# Allegro board Swan Feather PCB v1.7.brd
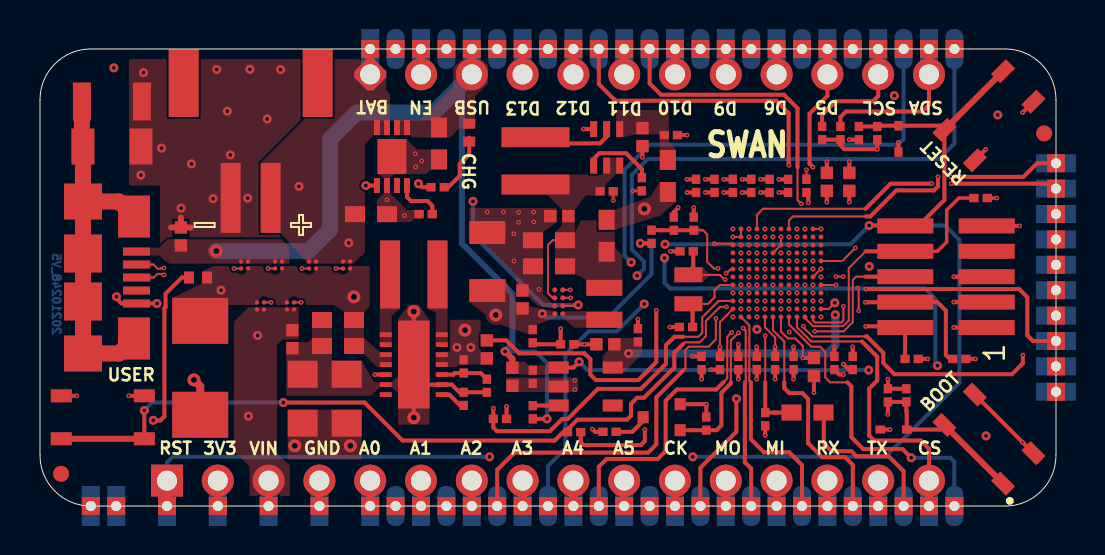
[diagram p0: board, top side]
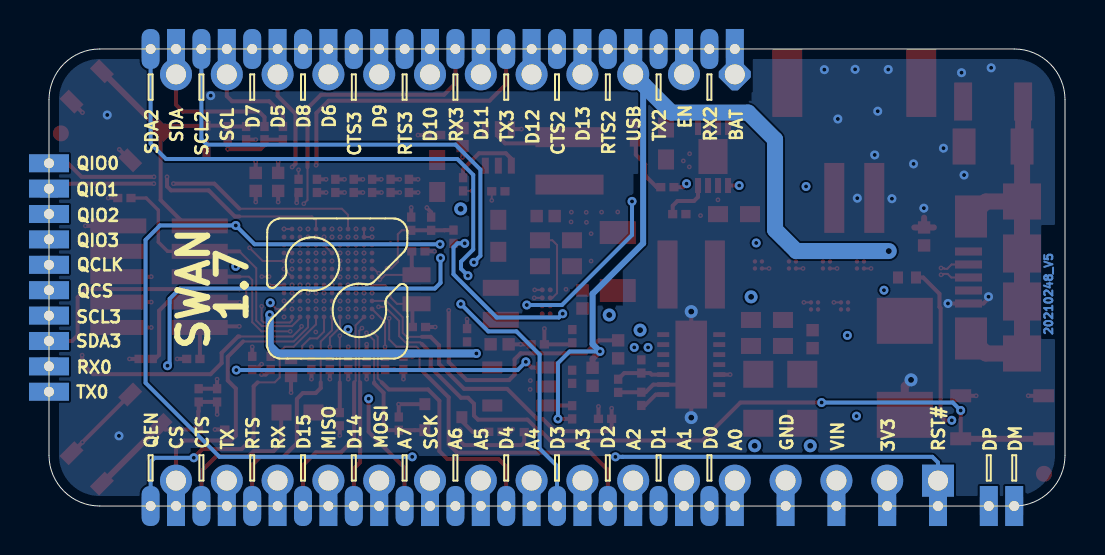
[diagram p1: board, bottom side, seen from below]

Outline 50.8 x 22.86 mm; copper layers: TOP, GND, INT1, INT2, POWER, BOTTOM. Coordinates in mm from the lower left corner of the outline.
Outline path: 0,20.32 0,2.54 arc(0.74,0.74) 2.54,0 48.26,0 arc(50.06,0.74) 50.8,2.54 50.8,20.32 arc(50.06,22.12) 48.26,22.86 2.54,22.86 arc(0.74,22.12) 0,20.32

## Design rules (mm)
constraint set DEFAULT: pair gap 0.1
net group USB_90: nets USB_DM USB_DP

## Placement (name value [footprint] x y rotation side)
C1  10n/1kV  [CS-C-1206]  3.65 17.98 0 top
C2  100n/16V  [CS-C-0402]  7.04 13.48 90 top
C3  100n/16V  [CS-C-0402]  12.62 8.34 270 top
C4  47u/16V-X5R  [CS-C-1206]  22.37 12.28 90 top
C5  4.7u/6.3V-X5R  [CS-C-0402]  24.13 10.33 90 top
C6  10u/10V-X5R  [CS-C-0603]  25.45 11.99 180 top
C7  10u/10V-X5R  [CS-C-0603]  25.45 13.29 180 top
C8  100n/16V-X5R  [CS-C-0201]  26.36 8.09 0 top
C9  4.7u/10V/X5R  [CS-C-0603]  16.55 14.6 0 top
C10  4.7u/10V/X5R  [CS-C-0603]  19.95 18.13 270 top
C11  100n/16V-X5R  [CS-C-0201]  28.33 15.74 0 top
C12  10u/6.3V-X5R  [CS-C-0402]  25.97 14.5 180 top
C13  10u/6.3V-X5R  [CS-C-0402]  30.12 18.45 270 top
C14  100n/16V-X5R  [CS-C-0201]  31.54 18.55 0 top
C15  100u/6.3V  [CS-T-A]  13.13 5.37 90 top
C16  100u/6.3V  [CS-T-A]  15.33 5.37 90 top
C17  100n/16V-X5R  [CS-C-0201]  21.18 5.36 90 top
C18  10u/10V-X5R  [CS-C-0603]  14.9 9.31 180 top
C19  10u/10V-X5R  [CS-C-0603]  14.9 8.01 180 top
C20  100n/16V-X5R  [CS-C-0201]  24.64 6.46 270 top
C21  1u/16V-X5R  [CS-C-0402]  23.62 6.46 270 top
C22  100n/16V-X5R  [CS-C-0201]  29.9 8.54 90 top
C23  1u/16V-X5R  [CS-C-0402]  28.27 8.09 180 top
C24  10n/16V-X5R  [CS-C-0201]  32.69 14.12 90 top
C25  100n/16V-X5R  [CS-C-0201]  35.84 7.15 270 top
C26  100n/16V-X5R  [CS-C-0201]  37.68 7.15 270 top
C27  4.7u/6.3V-X5R  [CS-C-0402]  38.7 6.95 90 top
C28  100n/16V-X5R  [CS-C-0201]  36.76 7.15 270 top
C29  1u/16V-X5R  [CS-C-0402]  40.46 16.21 270 top
C30  100n/16V-X5R  [CS-C-0201]  33.72 16.01 90 top
C31  1u/16V-X5R  [CS-C-0402]  39.34 16.21 270 top
C32  4p/50V-C0G  [CS-C-0201]  32.3 8.95 180 top
C33  4p/50V-C0G  [CS-C-0201]  32.33 12.74 180 top
C34  100n/16V-X5R  [CS-C-0201]  40.94 18.65 270 top
C35  100n/16V-X5R  [CS-C-0201]  42.4 5.54 90 top
C36  100n/16V-X5R  [CS-C-0201]  39.72 7.15 270 top
C37  100n/16V-X5R  [CS-C-0201]  34.92 7.15 270 top
C38  100n/16V-X5R  [CS-C-0201]  38.32 16.01 90 top
C39  100n/16V-X5R  [CS-C-0201]  32.8 16.01 90 top
C40  100n/16V-X5R  [CS-C-0201]  35.56 16.01 90 top
C41  100n/16V-X5R  [CS-C-0201]  37.4 16.01 90 top
C42  100n/16V-X5R  [CS-C-0201]  36.48 16.01 90 top
C43  100n/16V-X5R  [CS-C-0201]  34.64 16.01 90 top
C44  100n/16V-X5R  [CS-C-0201]  40.64 7.15 270 top
C45  100n/16V-X5R  [CS-C-0201]  34 7.15 270 top
C46  10n/16V-X5R  [CS-C-0201]  33.08 7.15 270 top
FID1  TPS  [FIDUCIAL]  1.05 1.61 0 top
FID2  TPS  [FIDUCIAL]  50.21 18.64 0 top
J1  10118192-0002LF  [J-5-0065-FOS-USB10118192-NOF]  4.7 11.43 270 top
J2  00820  [J-16-0254-MDT]  25.4 1.27 0 bottom
J3  00815  [J-12-0254-MDT]  30.48 21.59 0 bottom
J4  20404  [J-2-0200-MOS-S2B]  10.53 18.26 0 top
J5  FTSH105-01-F-DV-K-P-TR  [J-5X2-0127-MDS-FTSH105]  45.3 11.43 90 top
L1  1285AS-H-2R2M=P2  [LS-0806]  28.21 10.11 90 top
L2  XFL4020-222MEC  [LS-XFL4020]  24.78 17.26 270 top
L3  XFL4020-152MEC  [LS-XFL4020]  18.69 11.58 180 top
LD1  SML-P12WTT86R  [LD-0402]  21.46 18.68 90 top
LD2  SML-P12U2TT86R  [LD-0402]  7.9 11.43 0 top
NOREF  -  []  24.87 8.61 90 top
NOREF#2  -  []  38.55 22.41 90 top
NOREF#3  -  []  16.7 18.55 0 top
NOREF#4  -  []  35.11 21.86 90 top
NOREF#5  -  []  30.93 22.41 90 top
NOREF#6  -  []  22.94 12.78 90 top
NOREF#7  -  []  41.46 21.86 90 top
NOREF#8  -  []  51.25 5.26 90 top
NOREF#9  -  []  25.74 10.41 90 top
NOREF#10  -  []  38.7 6.5 90 top
NOREF#11  -  []  27.49 -0.45 0 top
NOREF#12  -  []  0.54 2.91 90 top
NOREF#13  -  []  39.65 15.45 90 top
NOREF#14  -  []  11.75 11.88 0 top
NOREF#15  -  []  19.45 17.73 0 top
NOREF#16  -  []  24.64 8.16 90 top
NOREF#17  -  []  21.41 5.48 90 top
NOREF#18  -  []  37.65 21.86 90 top
NOREF#19  -  []  25.75 11.59 90 top
NOREF#20  -  []  41.78 4.03 0 top
NOREF#21  -  []  41.86 18.32 90 top
NOREF#22  -  []  25.63 4.53 0 top
NOREF#23  -  []  25.83 14.19 90 top
NOREF#24  -  []  20.09 8.07 90 top
NOREF#25  -  []  30.43 17.69 90 top
NOREF#26  -  []  18 9.88 90 top
NOREF#27  -  []  40.64 6.82 90 top
NOREF#28  -  []  6.86 10.66 0 top
NOREF#29  -  []  28.89 15.53 90 top
NOREF#30  -  []  16.87 18.35 0 top
NOREF#31  -  []  15.2 7.61 90 top
NOREF#32  -  []  18.23 22.41 90 top
NOREF#33  -  []  23.31 22.41 90 top
NOREF#34  -  []  29.67 9.08 0 top
NOREF#35  -  []  44.69 18.49 0 top
NOREF#36  -  []  45.74 3.61 90 top
NOREF#37  -  []  24.78 16.08 90 top
NOREF#38  -  []  20.77 22.41 90 top
NOREF#39  -  []  51.25 12.88 90 top
NOREF#40  -  []  31.39 15.71 90 top
NOREF#41  -  []  47.59 15.19 90 top
NOREF#42  -  []  22.34 7.38 90 top
NOREF#43  -  []  41.09 -0.45 90 top
NOREF#44  -  []  26.22 22.41 0 top
NOREF#45  -  []  4.82 12.08 90 top
NOREF#46  -  []  44 21.86 90 top
NOREF#47  -  []  38.92 22.41 0 top
NOREF#48  -  []  14.42 -0.45 90 top
NOREF#49  -  []  51.25 6.54 90 top
NOREF#50  -  []  47.63 0.8 90 top
NOREF#51  -  []  24.41 5.23 0 top
NOREF#52  -  []  34.23 6.61 90 top
NOREF#53  -  []  43.25 7.36 0 top
NOREF#54  -  []  27.01 9.21 0 top
NOREF#55  -  []  33.77 7.03 0 top
NOREF#56  -  []  44.82 1.55 90 top
NOREF#57  -  []  17 15.65 90 top
NOREF#58  -  []  50.35 6.54 0 top
NOREF#59  -  []  32.85 7.03 0 top
NOREF#60  -  []  3.36 -1 90 top
NOREF#61  -  []  32.07 11.54 0 top
NOREF#62  -  []  27.28 18.68 0 top
NOREF#63  -  []  32.69 13.79 90 top
NOREF#64  -  []  36.38 -1 90 top
NOREF#65  -  []  50.35 7.8 0 top
NOREF#66  -  []  16.06 21.86 90 top
NOREF#67  -  []  34.64 15.68 90 top
NOREF#68  -  []  7.7 11.13 0 top
NOREF#69  -  []  5.62 17.08 90 top
NOREF#70  -  []  21.71 18.83 90 top
NOREF#71  -  []  37.17 16.55 0 top
NOREF#72  -  []  24.58 -0.45 90 top
NOREF#73  -  []  39.37 21.59 0 top
NOREF#74  -  []  47.13 15.61 0 top
NOREF#75  -  []  25.85 22.41 90 top
NOREF#76  -  []  36.07 6.61 90 top
NOREF#77  -  []  28.33 12.71 90 top
NOREF#78  -  []  31.3 21.86 90 top
NOREF#79  -  []  32.8 15.68 90 top
NOREF#80  -  []  37.65 22.41 0 top
NOREF#81  -  []  27.49 21.86 90 top
NOREF#82  -  []  43.09 5.42 0 top
NOREF#83  -  []  40.94 18.32 90 top
NOREF#84  -  []  30.03 -1 90 top
NOREF#85  -  []  43.32 5.21 90 top
NOREF#86  -  []  30.35 13.35 0 top
NOREF#87  -  []  13.45 11.88 0 top
NOREF#88  -  []  6.8 -0.45 90 top
NOREF#89  -  []  34.65 13.86 0 top
NOREF#90  -  []  20.95 5.9 0 top
NOREF#91  -  []  16.85 16.03 90 top
NOREF#92  -  []  8.01 4.56 90 top
NOREF#93  -  []  34.65 9.46 90 top
NOREF#94  -  []  39.82 22.41 90 top
NOREF#95  -  []  39.67 4.28 90 top
NOREF#96  -  []  33.54 4.24 90 top
NOREF#97  -  []  16.06 22.41 0 top
NOREF#98  -  []  46 20.62 0 top
NOREF#99  -  []  31.92 13.58 90 top
NOREF#100  -  []  36.01 -0.45 90 top
NOREF#101  -  []  17.33 -0.45 0 top
NOREF#102  -  []  5.9 -0.45 0 top
NOREF#103  -  []  45.27 22.41 0 top
NOREF#104  -  []  46.7 15.4 0 top
NOREF#105  -  []  12.7 9.83 90 top
NOREF#106  -  []  0.54 3.69 90 top
NOREF#107  -  []  43.63 22.41 90 top
NOREF#108  -  []  7.35 13.62 90 top
NOREF#109  -  []  34.65 9.86 90 top
NOREF#110  -  []  36.71 16.13 90 top
NOREF#111  -  []  51.25 14.15 90 top
NOREF#112  -  []  40.71 18.53 0 top
NOREF#113  -  []  15.15 11.88 0 top
NOREF#114  -  []  33.84 22.41 0 top
NOREF#115  -  []  34.65 9.46 0 top
NOREF#116  -  []  29.86 4.17 90 top
NOREF#117  -  []  49.15 2.32 90 top
NOREF#118  -  []  24.65 13.29 0 top
NOREF#119  -  []  22.9 4.15 90 top
NOREF#120  -  []  16.06 -1 90 top
NOREF#121  -  []  34.69 7.03 0 top
NOREF#122  -  []  28.76 22.41 0 top
NOREF#123  -  []  42.02 18.56 0 top
NOREF#124  -  []  39.01 7.09 90 top
NOREF#125  -  []  34.92 6.82 90 top
NOREF#126  -  []  35.61 7.03 0 top
NOREF#127  -  []  32.2 -0.45 90 top
NOREF#128  -  []  20.44 15.74 90 top
NOREF#129  -  []  5.8 12.23 0 top
NOREF#130  -  []  14.1 9.31 0 top
NOREF#131  -  []  16.85 15 0 top
NOREF#132  -  []  21.14 21.86 90 top
NOREF#133  -  []  22.34 5.68 90 top
NOREF#134  -  []  33.84 -1 90 top
NOREF#135  -  []  4.69 3.04 0 top
NOREF#136  -  []  10.85 10.18 0 top
NOREF#137  -  []  33.31 6.61 90 top
NOREF#138  -  []  15.15 11.88 90 top
NOREF#139  -  []  51.25 10.35 90 top
NOREF#140  -  []  13.45 12.12 90 top
NOREF#141  -  []  31.3 22.41 0 top
NOREF#142  -  []  34 6.82 90 top
NOREF#143  -  []  12.31 8.2 0 top
NOREF#144  -  []  51.25 16.7 90 top
NOREF#145  -  []  13.81 5.84 90 top
NOREF#146  -  []  43.58 3.63 90 top
NOREF#147  -  []  30.16 4.44 90 top
NOREF#148  -  []  32.57 -1 90 top
NOREF#149  -  []  33.95 16.13 90 top
NOREF#150  -  []  50.35 15.43 0 top
NOREF#151  -  []  2.15 7.63 90 top
NOREF#152  -  []  51.25 15.43 90 top
NOREF#153  -  []  37.91 6.61 90 top
NOREF#154  -  []  29.86 4.72 0 top
NOREF#155  -  []  1.57 17.08 0 top
NOREF#156  -  []  41.46 -1 90 top
NOREF#157  -  []  50.35 16.14 90 top
NOREF#158  -  []  1.69 5.54 0 top
NOREF#159  -  []  45.64 7.36 0 top
NOREF#160  -  []  22.41 22.41 0 top
NOREF#161  -  []  45.27 -0.45 0 top
NOREF#162  -  []  27.49 -1 90 top
NOREF#163  -  []  23.93 5.7 90 top
NOREF#164  -  []  19.87 -1 90 top
NOREF#165  -  []  40.25 18.11 90 top
NOREF#166  -  []  32.46 14.66 0 top
NOREF#167  -  []  32.2 8.74 90 top
NOREF#168  -  []  41.46 22.41 0 top
NOREF#169  -  []  19.5 22.41 90 top
NOREF#170  -  []  10.98 -1 90 top
NOREF#171  -  []  3.2 10.88 90 top
NOREF#172  -  []  38.67 5.08 0 top
NOREF#173  -  []  7.2 11.73 0 top
NOREF#174  -  []  31.32 10.14 90 top
NOREF#175  -  []  22.57 6.13 90 top
NOREF#176  -  []  5.74 3.81 90 top
NOREF#177  -  []  42.89 10.33 0 top
NOREF#178  -  []  24.87 4.81 90 top
NOREF#179  -  []  0 7.93 0 top
NOREF#180  -  []  24.41 9.03 0 top
NOREF#181  -  []  14.66 5.84 0 top
NOREF#182  -  []  19.97 5.27 90 top
NOREF#183  -  []  17.33 21.86 90 top
NOREF#184  -  []  3.36 -0.45 0 top
NOREF#185  -  []  40.46 15.76 90 top
NOREF#186  -  []  28.39 22.41 90 top
NOREF#187  -  []  21.18 6.65 90 top
NOREF#188  -  []  28.61 11.01 0 top
NOREF#189  -  []  11.2 9.83 90 top
NOREF#190  -  []  37.65 -1 90 top
NOREF#191  -  []  37.45 7.03 0 top
NOREF#192  -  []  46.21 5.25 0 top
NOREF#193  -  []  27.12 22.41 90 top
NOREF#194  -  []  36.49 3.8 90 top
NOREF#195  -  []  30.03 21.86 90 top
NOREF#196  -  []  24.64 6.13 90 top
NOREF#197  -  []  35.56 15.68 90 top
NOREF#198  -  []  30.03 22.41 0 top
NOREF#199  -  []  24.65 11.99 0 top
NOREF#200  -  []  29.66 22.41 90 top
NOREF#201  -  []  23.68 22.41 0 top
NOREF#202  -  []  44.82 17.72 90 top
NOREF#203  -  []  23.31 -0.45 90 top
NOREF#204  -  []  26.22 21.86 90 top
NOREF#205  -  []  16.96 -0.45 90 top
NOREF#206  -  []  50.35 9.79 90 top
NOREF#207  -  []  26.03 8.09 0 top
NOREF#208  -  []  50.35 11.06 90 top
NOREF#209  -  []  50.35 14.15 0 top
NOREF#210  -  []  23.31 6.32 0 top
NOREF#211  -  []  29.21 1.27 0 top
NOREF#212  -  []  34.74 22.41 90 top
NOREF#213  -  []  47.63 21.42 90 top
NOREF#214  -  []  43.68 7.57 0 top
NOREF#215  -  []  6.7 12.23 0 top
NOREF#216  -  []  37.63 16.13 90 top
NOREF#217  -  []  37.57 4.68 0 top
NOREF#218  -  []  42.73 22.41 0 top
NOREF#219  -  []  10.05 12.12 90 top
NOREF#220  -  []  12.03 13.66 90 top
NOREF#221  -  []  27.51 8.4 0 top
NOREF#222  -  []  28.98 17.02 90 top
NOREF#223  -  []  50.8 0 0 top
NOREF#224  -  []  47.33 8.93 90 top
NOREF#225  -  []  13.52 -1 90 top
NOREF#226  -  []  25.85 -0.45 90 top
NOREF#227  -  []  -96.53 -120.94 0 top
NOREF#228  -  []  42.73 -1 90 top
NOREF#229  -  []  18.95 14.6 0 top
NOREF#230  -  []  32.23 12.53 90 top
NOREF#231  -  []  18.6 -1 90 top
NOREF#232  -  []  20.77 -0.45 90 top
NOREF#233  -  []  4.26 -0.45 90 top
NOREF#234  -  []  29.9 8.21 90 top
NOREF#235  -  []  45.87 7.15 90 top
NOREF#236  -  []  51.25 7.8 90 top
NOREF#237  -  []  6.43 22.86 0 top
NOREF#238  -  []  38.32 15.68 90 top
NOREF#239  -  []  31.3 -1 90 top
NOREF#240  -  []  2.1 20.23 0 top
NOREF#241  -  []  39.1 18.32 90 top
NOREF#242  -  []  22.04 22.41 90 top
NOREF#243  -  []  37.68 6.82 90 top
NOREF#244  -  []  30.13 8.66 90 top
NOREF#245  -  []  43.82 18.16 90 top
NOREF#246  -  []  39.49 7.03 0 top
NOREF#247  -  []  39.79 18.53 0 top
NOREF#248  -  []  40.19 -1 90 top
NOREF#249  -  []  24.13 9.88 90 top
NOREF#250  -  []  38.09 16.55 0 top
NOREF#251  -  []  25.93 5.03 0 top
NOREF#252  -  []  51.25 11.62 90 top
NOREF#253  -  []  30.09 15.76 90 top
NOREF#254  -  []  13.45 11.88 90 top
NOREF#255  -  []  38.92 -0.45 0 top
NOREF#256  -  []  40.15 16.07 0 top
NOREF#257  -  []  36.38 -0.45 0 top
NOREF#258  -  []  49.15 2.19 90 top
NOREF#259  -  []  22.37 10.78 90 top
NOREF#260  -  []  22.41 -1 90 top
NOREF#261  -  []  24.44 10.47 90 top
NOREF#262  -  []  44.95 2.25 0 top
NOREF#263  -  []  24.95 -0.45 0 top
NOREF#264  -  []  34.41 16.55 0 top
NOREF#265  -  []  37.4 15.68 90 top
NOREF#266  -  []  26.38 3.7 0 top
NOREF#267  -  []  48.26 0 90 top
NOREF#268  -  []  43.63 -0.45 90 top
NOREF#269  -  []  26.92 7.88 90 top
NOREF#270  -  []  24.28 14.38 0 top
NOREF#271  -  []  50.35 8.53 90 top
NOREF#272  -  []  17.57 5.37 0 top
NOREF#273  -  []  15.2 8.91 90 top
NOREF#274  -  []  4.45 7.93 0 top
NOREF#275  -  []  2.09 -1 90 top
NOREF#276  -  []  36.26 4.01 90 top
NOREF#277  -  []  13.6 8.41 0 top
NOREF#278  -  []  30.58 13.14 90 top
NOREF#279  -  []  25.75 12.89 90 top
NOREF#280  -  []  23.68 -0.45 0 top
NOREF#281  -  []  31.74 9.16 0 top
NOREF#282  -  []  11.03 17.16 0 top
NOREF#283  -  []  20.89 6.28 90 top
NOREF#284  -  []  19.5 -0.45 90 top
NOREF#285  -  []  37.28 -0.45 90 top
NOREF#286  -  []  7.04 13.03 90 top
NOREF#287  -  []  15.15 12.12 90 top
NOREF#288  -  []  46.17 -0.45 90 top
NOREF#289  -  []  46.17 22.41 90 top
NOREF#290  -  []  31.21 18.55 0 top
NOREF#291  -  []  8.6 11.13 90 top
NOREF#292  -  []  30.03 -0.45 0 top
NOREF#293  -  []  21.21 18.53 0 top
NOREF#294  -  []  13.6 9.71 0 top
NOREF#295  -  []  50.35 7.25 90 top
NOREF#296  -  []  23.68 -1 90 top
NOREF#297  -  []  27.83 14.71 0 top
NOREF#298  -  []  28.76 21.86 90 top
NOREF#299  -  []  30.12 18 90 top
NOREF#300  -  []  9.34 -0.45 90 top
NOREF#301  -  []  31.46 14 0 top
NOREF#302  -  []  35.84 6.82 90 top
NOREF#303  -  []  43.55 5 90 top
NOREF#304  -  []  29.41 9.21 90 top
NOREF#305  -  []  2.09 -0.45 0 top
NOREF#306  -  []  40.19 22.41 0 top
NOREF#307  -  []  2.99 -0.45 90 top
NOREF#308  -  []  18.6 22.41 0 top
NOREF#309  -  []  38.87 18.53 0 top
NOREF#310  -  []  33.08 6.82 90 top
NOREF#311  -  []  22.67 4.36 0 top
NOREF#312  -  []  19.38 14.81 0 top
NOREF#313  -  []  41.17 18.11 90 top
NOREF#314  -  []  4.65 21.18 0 top
NOREF#315  -  []  21.14 22.41 0 top
NOREF#316  -  []  38.92 -1 90 top
NOREF#317  -  []  26.14 10.69 90 top
NOREF#318  -  []  42.4 5.21 90 top
NOREF#319  -  []  27.49 22.41 0 top
NOREF#320  -  []  32.01 3.79 90 top
NOREF#321  -  []  28.38 3.5 90 top
NOREF#322  -  []  49.15 19.9 90 top
NOREF#323  -  []  36.38 21.86 90 top
NOREF#324  -  []  42.73 21.86 90 top
NOREF#325  -  []  47.26 16.84 90 top
NOREF#326  -  []  37.65 -0.45 0 top
NOREF#327  -  []  36.48 15.68 90 top
NOREF#328  -  []  50.35 13.61 90 top
NOREF#329  -  []  31.64 18.76 0 top
NOREF#330  -  []  19.98 16.16 0 top
NOREF#331  -  []  40.19 -0.45 0 top
NOREF#332  -  []  44 -0.45 0 top
NOREF#333  -  []  17 9.88 0 top
NOREF#334  -  []  39.72 6.82 90 top
NOREF#335  -  []  22.41 -0.45 0 top
NOREF#336  -  []  16.06 -0.45 0 top
NOREF#337  -  []  21.41 7.1 90 top
NOREF#338  -  []  21.14 -1 90 top
NOREF#339  -  []  14.66 7.34 0 top
NOREF#340  -  []  42.02 18.16 0 top
NOREF#341  -  []  36.53 7.03 0 top
NOREF#342  -  []  46.21 5.25 0 top
NOREF#343  -  []  24.41 6.34 0 top
NOREF#344  -  []  12.35 10.07 90 top
NOREF#345  -  []  44.95 20.62 90 top
NOREF#346  -  []  50.35 10.35 0 top
NOREF#347  -  []  0.6 10.63 90 top
NOREF#348  -  []  24.87 5.92 90 top
NOREF#349  -  []  27.12 -0.45 90 top
NOREF#350  -  []  31.69 13.79 90 top
NOREF#351  -  []  39.82 -0.45 90 top
NOREF#352  -  []  40.77 15.45 90 top
NOREF#353  -  []  28.43 15.95 0 top
NOREF#354  -  []  33.03 16.13 90 top
NOREF#355  -  []  25.28 14.38 90 top
NOREF#356  -  []  12.46 5.84 0 top
NOREF#357  -  []  23.68 21.86 90 top
NOREF#358  -  []  33.84 21.86 90 top
NOREF#359  -  []  22.41 21.86 90 top
NOREF#360  -  []  38.55 -0.45 90 top
NOREF#361  -  []  35.11 22.41 0 top
NOREF#362  -  []  29.86 16.63 0 top
NOREF#363  -  []  50.35 11.62 0 top
NOREF#364  -  []  41.63 18.53 0 top
NOREF#365  -  []  32.57 16.55 0 top
NOREF#366  -  []  45.41 7.57 0 top
NOREF#367  -  []  28.83 13.91 90 top
NOREF#368  -  []  39.95 6.61 90 top
NOREF#369  -  []  30.89 16.11 0 top
NOREF#370  -  []  9.53 15.41 0 top
NOREF#371  -  []  34.87 16.13 90 top
NOREF#372  -  []  21.21 18.83 0 top
NOREF#373  -  []  35.79 16.13 90 top
NOREF#374  -  []  35.15 6.61 90 top
NOREF#375  -  []  2.15 17.98 0 top
NOREF#376  -  []  25.93 5.98 90 top
NOREF#377  -  []  16.96 22.41 90 top
NOREF#378  -  []  9.03 13.66 90 top
NOREF#379  -  []  40.41 7.03 0 top
NOREF#380  -  []  31.77 12.95 0 top
NOREF#381  -  []  15.25 14.2 90 top
NOREF#382  -  []  19.87 21.86 90 top
NOREF#383  -  []  14.1 8.01 0 top
NOREF#384  -  []  35.33 16.55 0 top
NOREF#385  -  []  33.72 15.68 90 top
NOREF#386  -  []  19.87 22.41 0 top
NOREF#387  -  []  25.21 14.81 0 top
NOREF#388  -  []  8.44 -1 90 top
NOREF#389  -  []  42.36 -0.45 90 top
NOREF#390  -  []  22.03 7.69 0 top
NOREF#391  -  []  6.86 7.86 90 top
NOREF#392  -  []  19.95 17.33 90 top
NOREF#393  -  []  23.82 11.09 0 top
NOREF#394  -  []  36.38 22.41 0 top
NOREF#395  -  []  29.66 -0.45 90 top
NOREF#396  -  []  50.8 0 0 top
NOREF#397  -  []  1.59 3.04 0 top
NOREF#398  -  []  25.74 9.61 0 top
NOREF#399  -  []  24.15 12.39 0 top
NOREF#400  -  []  51.25 9.07 90 top
NOREF#401  -  []  12.35 10.18 0 top
NOREF#402  -  []  26.46 8.3 0 top
NOREF#403  -  []  30.81 12.93 90 top
NOREF#404  -  []  36.03 4.22 0 top
NOREF#405  -  []  32.05 10.87 0 top
NOREF#406  -  []  15.75 14.6 0 top
NOREF#407  -  []  42.09 18.11 90 top
NOREF#408  -  []  17.5 11.58 0 top
NOREF#409  -  []  32.57 -0.45 0 top
NOREF#410  -  []  17.85 18.93 0 top
NOREF#411  -  []  39.03 16.07 0 top
NOREF#412  -  []  38.39 7.71 0 top
NOREF#413  -  []  46 4.45 0 top
NOREF#414  -  []  32.92 14.24 90 top
NOREF#415  -  []  50.35 5.26 0 top
NOREF#416  -  []  27.92 3.92 0 top
NOREF#417  -  []  24.95 22.41 0 top
NOREF#418  -  []  42.73 -0.45 0 top
NOREF#419  -  []  43.52 17.26 90 top
NOREF#420  -  []  28.15 3.71 0 top
NOREF#421  -  []  0.52 2.64 90 top
NOREF#422  -  []  44.9 -0.45 90 top
NOREF#423  -  []  8.44 -0.45 0 top
NOREF#424  -  []  26.81 3.91 0 top
NOREF#425  -  []  19.45 18.53 90 top
NOREF#426  -  []  25.4 0.77 90 top
NOREF#427  -  []  42.36 22.41 90 top
NOREF#428  -  []  40.19 21.86 90 top
NOREF#429  -  []  27.82 8.09 0 top
NOREF#430  -  []  22.11 6.55 0 top
NOREF#431  -  []  28.13 7.78 90 top
NOREF#432  -  []  43.78 3.23 90 top
NOREF#433  -  []  41.46 -0.45 0 top
NOREF#434  -  []  14.63 19.46 90 top
NOREF#435  -  []  24.95 -1 90 top
NOREF#436  -  []  13.52 -0.45 0 top
NOREF#437  -  []  0.64 3.34 0 top
NOREF#438  -  []  31.97 8.95 0 top
NOREF#439  -  []  9.4 7.43 90 top
NOREF#440  -  []  12.93 7.58 90 top
NOREF#441  -  []  42.17 6.08 0 top
NOREF#442  -  []  40.87 6.61 90 top
NOREF#443  -  []  50.35 9.07 0 top
NOREF#444  -  []  42.89 7.53 90 top
NOREF#445  -  []  1.65 19.28 90 top
NOREF#446  -  []  44.9 22.41 90 top
NOREF#447  -  []  42.32 19.46 0 top
NOREF#448  -  []  40.02 18.32 90 top
NOREF#449  -  []  0.52 2.64 0 top
NOREF#450  -  []  30.48 21.09 90 top
NOREF#451  -  []  11.75 12.12 90 top
NOREF#452  -  []  11.75 11.88 90 top
NOREF#453  -  []  32.57 22.41 0 top
NOREF#454  -  []  44.69 18.49 0 top
NOREF#455  -  []  33.47 -0.45 90 top
NOREF#456  -  []  33.47 22.41 90 top
NOREF#457  -  []  44 22.41 0 top
NOREF#458  -  []  32.57 21.86 90 top
NOREF#459  -  []  20.95 7.52 0 top
NOREF#460  -  []  38.92 21.86 90 top
NOREF#461  -  []  41.58 3.23 0 top
NOREF#462  -  []  0 7.93 90 top
NOREF#463  -  []  39.33 18.11 90 top
NOREF#464  -  []  36.99 6.61 90 top
NOREF#465  -  []  34.74 -0.45 90 top
NOREF#466  -  []  19.87 -0.45 0 top
NOREF#467  -  []  26.22 -0.45 0 top
NOREF#468  -  []  28.63 5.03 90 top
NOREF#469  -  []  24.95 21.86 90 top
NOREF#470  -  []  25.52 14.5 0 top
NOREF#471  -  []  32 12.74 0 top
NOREF#472  -  []  19.84 14.39 90 top
NOREF#473  -  []  33.08 4.66 0 top
NOREF#474  -  []  11.88 -0.45 90 top
NOREF#475  -  []  17.33 -1 90 top
NOREF#476  -  []  10.05 11.88 90 top
NOREF#477  -  []  18.6 21.86 90 top
NOREF#478  -  []  2.55 7.93 0 top
NOREF#479  -  []  28 15.74 0 top
NOREF#480  -  []  44.95 18.42 0 top
NOREF#481  -  []  29.81 18.31 0 top
NOREF#482  -  []  33.31 3.79 90 top
NOREF#483  -  []  24.58 22.41 90 top
NOREF#484  -  []  26.22 -1 90 top
NOREF#485  -  []  44.14 7.15 90 top
NOREF#486  -  []  22.44 4.57 0 top
NOREF#487  -  []  50.35 5.99 90 top
NOREF#488  -  []  30.32 16.21 90 top
NOREF#489  -  []  21.14 -0.45 0 top
NOREF#490  -  []  21.79 9.88 0 top
NOREF#491  -  []  22.65 7.07 90 top
NOREF#492  -  []  35.11 -1 90 top
NOREF#493  -  []  17.29 8.57 0 top
NOREF#494  -  []  0 7.93 0 top
NOREF#495  -  []  50.35 4.71 90 top
NOREF#496  -  []  35.11 -0.45 0 top
NOREF#497  -  []  28.33 18.85 0 top
NOREF#498  -  []  44.82 17.72 0 top
NOREF#499  -  []  45.27 -1 90 top
NOREF#500  -  []  27.27 3.49 90 top
NOREF#501  -  []  47.71 12.61 90 top
NOREF#502  -  []  30.93 -0.45 90 top
NOREF#503  -  []  19.55 15.95 0 top
NOREF#504  -  []  18.23 -0.45 90 top
NOREF#505  -  []  50.35 12.34 90 top
NOREF#506  -  []  0 2.54 0 top
NOREF#507  -  []  10.05 11.88 0 top
NOREF#508  -  []  22.04 -0.45 90 top
NOREF#509  -  []  24.15 13.69 0 top
NOREF#510  -  []  12.46 7.34 0 top
NOREF#511  -  []  17.9 9.27 0 top
NOREF#512  -  []  28.39 -0.45 90 top
NOREF#513  -  []  23.62 6.01 90 top
NOREF#514  -  []  32.2 22.41 90 top
NOREF#515  -  []  21.18 5.03 90 top
NOREF#516  -  []  38.55 16.13 90 top
NOREF#517  -  []  5.9 -1 90 top
NOREF#518  -  []  44 -1 90 top
NOREF#519  -  []  32.1 18.34 90 top
NOREF#520  -  []  24.64 4.36 90 top
NOREF#521  -  []  17.33 22.41 0 top
NOREF#522  -  []  50.35 14.88 90 top
NOREF#523  -  []  28.76 -1 90 top
NOREF#524  -  []  18.6 -0.45 0 top
NOREF#525  -  []  0.54 3.04 90 top
NOREF#526  -  []  50.35 16.7 0 top
NOREF#527  -  []  28.08 16.85 90 top
NOREF#528  -  []  50.35 12.88 0 top
NOREF#529  -  []  10.98 -0.45 0 top
NOREF#530  -  []  36.76 6.82 90 top
NOREF#531  -  []  33.49 16.55 0 top
NOREF#532  -  []  44.82 1.55 0 top
NOREF#533  -  []  45.27 21.86 90 top
NOREF#534  -  []  28.76 -0.45 0 top
NOREF#535  -  []  36.25 16.55 0 top
NOREF#536  -  []  10.85 10.07 90 top
NOREF#537  -  []  31.3 -0.45 0 top
NOREF#538  -  []  36.53 9.46 0 top
NOREF#539  -  []  7.93 22.86 0 top
NOREF#540  -  []  39.34 15.76 90 top
NOREF#541  -  []  18.32 16.6 90 top
NOREF#542  -  []  37.28 22.41 90 top
NOREF#543  -  []  6.73 14.24 0 top
NOREF#544  -  []  42.63 5.66 90 top
NOREF#545  -  []  41.78 3.63 0 top
NOREF#546  -  []  33.84 -0.45 0 top
NOREF#547  -  []  12.62 7.89 90 top
NOREF#548  -  []  31.89 15.31 90 top
NOREF#549  -  []  41.09 22.41 90 top
NOREF#550  -  []  36.01 22.41 90 top
NOREF#551  -  []  16.01 5.84 90 top
PAD1  TPS  [PAD-THT-CAS-0050]  3.81 0 180 top
PAD2  TPS  [PAD-THT-CAS-0050]  2.54 0 180 top
PAD3  TPS  [PAD-THT-CAS-0050]  6.35 0 0 top
PAD4  TPS  [PAD-THT-CAS-0050]  11.43 0 0 top
PAD5  TPS  [PAD-THT-CAS-0050]  8.89 0 0 top
PAD6  TPS  [PAD-THT-CAS-0050]  13.97 0 0 top
PAD7  TPS  [PAD-THT-CAS-0050]  16.51 0 0 top
PAD8  TPS  [PAD-THT-CAS-0050]  16.51 22.86 0 top
PAD9  TPS  [PAD-THT-CAS-0050]  17.78 0 0 top
PAD10  TPS  [PAD-THT-CAS-0050]  17.78 22.86 180 top
PAD11  TPS  [PAD-THT-CAS-0050]  19.05 0 0 top
PAD12  TPS  [PAD-THT-CAS-0050]  20.32 0 0 top
PAD13  TPS  [PAD-THT-CAS-0050]  21.59 0 0 top
PAD14  TPS  [PAD-THT-CAS-0050]  19.05 22.86 0 top
PAD15  TPS  [PAD-THT-CAS-0050]  20.32 22.86 180 top
PAD16  TPS  [PAD-THT-CAS-0050]  24.13 0 0 top
PAD17  TPS  [PAD-THT-CAS-0050]  21.59 22.86 0 top
PAD18  TPS  [PAD-THT-CAS-0050]  22.86 0 0 top
PAD19  TPS  [PAD-THT-CAS-0050]  22.86 22.86 180 top